# Altium PCB PreCharge.PcbDoc (part 2 of 2) (continued)
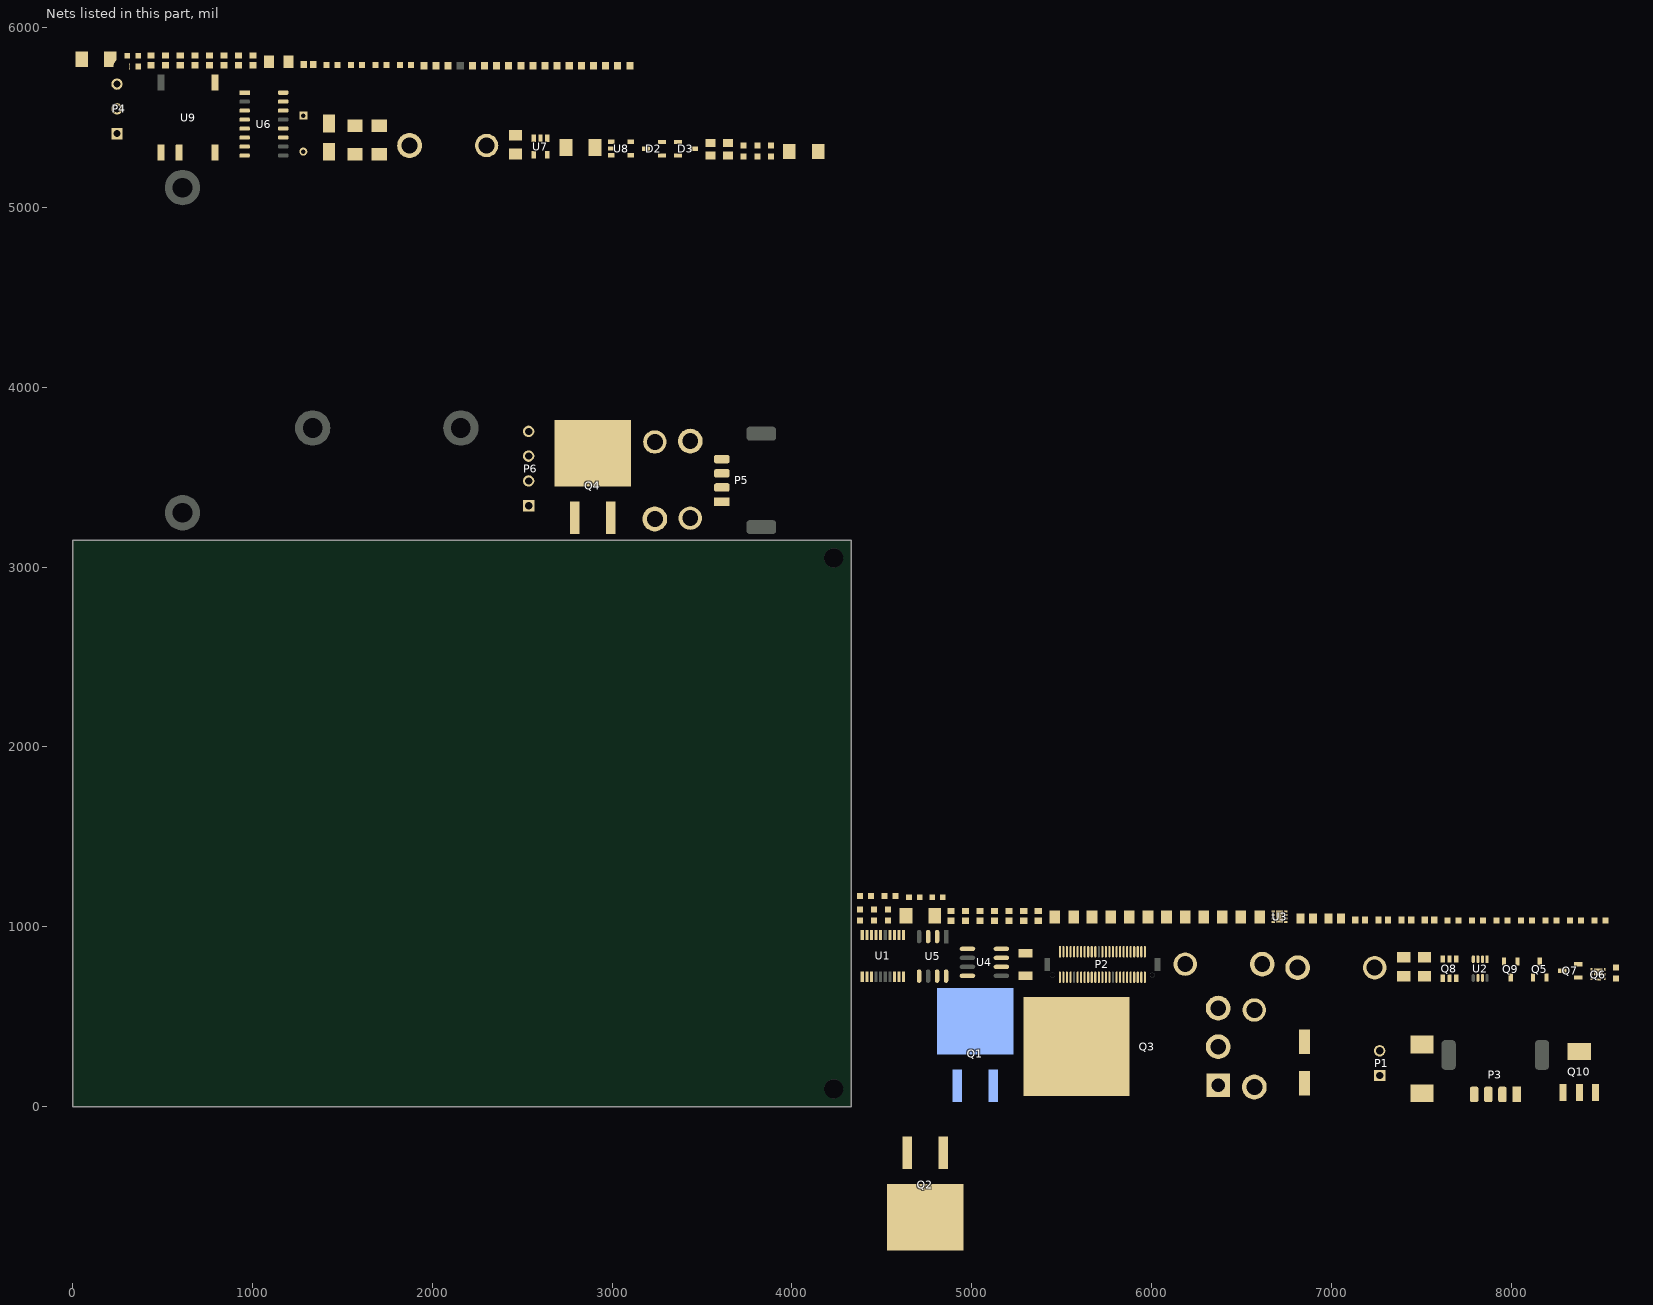
[diagram p2: the nets of this part, all layers, seen from the top]
## Part data (continued)
R10 R14: Case/Package=TO-247-2, Manufacturer=Ohmite, Manufacturer Part Number=AP101330RJ, Max Operating Temperature=175°C, Max Power Dissipation=100W, Min Operating Temperature=-65°C, Resistance=330R, Supplier Part Number 1="AP101 330R J-ND", Temperature Coefficient=100ppm/°C, Tolerance=5%, Voltage Rating=700V, ComponentLink1Description=http://www.mouser.com/ds/2/303/acl_ap101-773331.pdf, ComponentLink1URL=http://www.mouser.com/ds/2/303/acl_ap101-773331.pdf, ComponentLink2Description=http://www.farnell.com/datasheets/2015590.pdf, ComponentLink2URL=http://www.farnell.com/datasheets/2015590.pdf, ComponentLink3Description=http://www.ohmite.com/cat/acl_ap101.pdf, ComponentLink3URL=http://www.ohmite.com/cat/acl_ap101.pdf, Composition="Thick Film", Height=0.825inch, Length=0.62inch, Number of Terminations=2, Packaging=Tray, Power Rating=100W, Stock 1=0, Supplier 1=Digi-Key, Voltage Rating (DC)=700V, Width=0.195inch
R11 R12: library part "RES SMD 470K OHM 0.1% 1/4W 1206", "470 kOhms ±0.1% 0.25W, 1/4W Chip Resistor 1206 (3216 Metric) Anti-Sulfur, Automotive AEC-Q200 Thin Film", Case/Package=1206, Case Code (Metric)=3216, Manufacturer=Susumu, Manufacturer Part Number=RG3216P-4703-B-T1, Max Operating Temperature=155°C, Max Power Dissipation=0.25W, Min Operating Temperature=-55°C, Package Quantity=1, Power Rating=125mW, Resistance=470k, Supplier Part Number 1=RG32P470KBDKR-ND, Temperature Coefficient=25ppm/°C, Tolerance=0.1%, Voltage Rating=150V, Voltage Rating (DC)=200V, Case Code (Imperial)=1206, ComponentLink1Description=https://datasheet.ciiva.com/2490/rg-rm-rgh-datasheet-2490488.pdf, ComponentLink1URL=https://datasheet.ciiva.com/2490/rg-rm-rgh-datasheet-2490488.pdf, ComponentLink2Description=https://datasheet.ciiva.com/2490/rg-rm-rgh-datasheet-2490489.pdf, ComponentLink2URL=https://datasheet.ciiva.com/2490/rg-rm-rgh-datasheet-2490489.pdf, ComponentLink3Description=https://datasheet.ciiva.com/2490/rg-rm-rgh-datasheet-2490490.pdf, ComponentLink3URL=https://datasheet.ciiva.com/2490/rg-rm-rgh-datasheet-2490490.pdf, ComponentLink4Description=https://datasheet.ciiva.com/12760/rg-rm-rgh-datasheet-12760397.pdf, ComponentLink4URL=https://datasheet.ciiva.com/12760/rg-rm-rgh-datasheet-12760397.pdf, Composition="Thin Film", Height=0.02inch, Lead Free="Lead Free", Length=0.126inch, Number of Pins=2, Number of Terminations=2, Packaging="Tape and Reel", Pricing 1="1=0.66, 10=0.474, 100=0.2462 (USD)", Stock 1=2986, Supplier 1=Digi-Key, Termination=SMD/SMT, Width=0.063inch
R13: library part "RES SMD 29.4K OHM 1% 1/4W 1206", "29.4 kOhms ±1% 0.25W, 1/4W Chip Resistor 1206 (3216 Metric) Automotive AEC-Q200 Thick Film", Case/Package=1206, Case Code (Metric)=3216, Manufacturer=Panasonic, Manufacturer Part Number=ERJ-8ENF2942V, Max Operating Temperature=155°C, Max Power Dissipation=250mW, Min Operating Temperature=-55°C, Package Quantity=1, Resistance=29.4kR, Supplier Part Number 1=P29.4KFCT-ND, Temperature Coefficient=100ppm/°C, Tolerance=1%, Voltage Rating=200V, Case Code (Imperial)=1206, ComponentLink1Description=https://datasheet.ciiva.com/7861/426256-7861912.pdf, ComponentLink1URL=https://datasheet.ciiva.com/7861/426256-7861912.pdf, ComponentLink2Description=https://datasheet.ciiva.com/24126/aoa0000ce2-24126731.pdf, ComponentLink2URL=https://datasheet.ciiva.com/24126/aoa0000ce2-24126731.pdf, ComponentLink3Description=https://datasheet.ciiva.com/6159/426256-6159628.pdf, ComponentLink3URL=https://datasheet.ciiva.com/6159/426256-6159628.pdf, ComponentLink4Description=https://datasheet.ciiva.com/9191/aoa0000ce2-9191007.pdf, ComponentLink4URL=https://datasheet.ciiva.com/9191/aoa0000ce2-9191007.pdf, Composition="Thick Film", Contact Plating=Tin, Depth=1.6mm, Height=0.028inch, Length=3.2mm, Military Standard=Not, Mount="Surface Mount", Number of Terminations=2, Packaging="Tape and Reel", Power Rating=250mW, Pricing 1="1=0.11, 10=0.097, 100=0.0373, 1000=0.01641, 2500=0.01417 (USD)", REACH SVHC="No SVHC", Stock 1=24502, Supplier 1=Digi-Key, Termination=SMD/SMT, Voltage Rating (DC)=200V, Weight=0.000571oz, Width=0.063inch
R15: library part "RES SMD 470K OHM 0.1% 1/4W 1206", "470 kOhms ±0.1% 0.25W, 1/4W Chip Resistor 1206 (3216 Metric) Anti-Sulfur, Automotive AEC-Q200 Thin Film", Case/Package=1206, Case Code (Metric)=3216, Manufacturer=Susumu, Manufacturer Part Number=RG3216P-4703-B-T1, Max Operating Temperature=155°C, Max Power Dissipation=250mW, Min Operating Temperature=-55°C, Package Quantity=1, Power Rating=125mW, Resistance=470kR, Supplier Part Number 1=RG32P470KBDKR-ND, Temperature Coefficient=25ppm/°C, Tolerance=0.1%, Voltage Rating=150V, Voltage Rating (DC)=200V, Case Code (Imperial)=1206, ComponentLink1Description=https://datasheet.ciiva.com/2490/rg-rm-rgh-datasheet-2490488.pdf, ComponentLink1URL=https://datasheet.ciiva.com/2490/rg-rm-rgh-datasheet-2490488.pdf, ComponentLink2Description=https://datasheet.ciiva.com/2490/rg-rm-rgh-datasheet-2490489.pdf, ComponentLink2URL=https://datasheet.ciiva.com/2490/rg-rm-rgh-datasheet-2490489.pdf, ComponentLink3Description=https://datasheet.ciiva.com/2490/rg-rm-rgh-datasheet-2490490.pdf, ComponentLink3URL=https://datasheet.ciiva.com/2490/rg-rm-rgh-datasheet-2490490.pdf, ComponentLink4Description=https://datasheet.ciiva.com/12760/rg-rm-rgh-datasheet-12760397.pdf, ComponentLink4URL=https://datasheet.ciiva.com/12760/rg-rm-rgh-datasheet-12760397.pdf, Composition="Thin Film", Height=0.02inch, Lead Free="Lead Free", Length=0.126inch, Number of Pins=2, Number of Terminations=2, Packaging="Tape and Reel", Pricing 1="1=0.66, 10=0.474, 100=0.2462 (USD)", Stock 1=2986, Supplier 1=Digi-Key, Termination=SMD/SMT, Width=0.063inch
R17: library part "RES SMD 29.4K OHM 1% 1/4W 1206", "29.4 kOhms ±1% 0.25W, 1/4W Chip Resistor 1206 (3216 Metric) Automotive AEC-Q200 Thick Film", Case/Package=1206, Case Code (Metric)=3216, Manufacturer=Panasonic, Manufacturer Part Number=ERJ-8ENF2942V, Max Operating Temperature=155°C, Max Power Dissipation=0.25W, Min Operating Temperature=-55°C, Package Quantity=1, Power Rating=250mW, Resistance=29.4k, Supplier Part Number 1=P29.4KFCT-ND, Temperature Coefficient=100ppm/°C, Tolerance=1%, Voltage Rating=200V, Case Code (Imperial)=1206, ComponentLink1Description=https://datasheet.ciiva.com/7861/426256-7861912.pdf, ComponentLink1URL=https://datasheet.ciiva.com/7861/426256-7861912.pdf, ComponentLink2Description=https://datasheet.ciiva.com/24126/aoa0000ce2-24126731.pdf, ComponentLink2URL=https://datasheet.ciiva.com/24126/aoa0000ce2-24126731.pdf, ComponentLink3Description=https://datasheet.ciiva.com/6159/426256-6159628.pdf, ComponentLink3URL=https://datasheet.ciiva.com/6159/426256-6159628.pdf, ComponentLink4Description=https://datasheet.ciiva.com/9191/aoa0000ce2-9191007.pdf, ComponentLink4URL=https://datasheet.ciiva.com/9191/aoa0000ce2-9191007.pdf, Composition="Thick Film", Contact Plating=Tin, Depth=1.6mm, Height=0.028inch, Length=3.2mm, Military Standard=Not, Mount="Surface Mount", Number of Terminations=2, Packaging="Tape and Reel", Pricing 1="1=0.11, 10=0.097, 100=0.0373, 1000=0.01641, 2500=0.01417 (USD)", REACH SVHC="No SVHC", Stock 1=24502, Supplier 1=Digi-Key, Termination=SMD/SMT, Voltage Rating (DC)=200V, Weight=0.000571oz, Width=0.063inch
R18: library part "RES SMD 33K OHM 0.1% 1/4W 1206", "33 kOhms ±0.1% 0.25W, 1/4W Chip Resistor 1206 (3216 Metric) Thin Film", Case/Package=1206, Case Code (Metric)=3216, Manufacturer=Yageo, Manufacturer Part Number=RT1206BRD0733KL, Max Operating Temperature=125°C, Max Power Dissipation=0.25W, Min Operating Temperature=-55°C, Package Quantity=5000, Power Rating=250mW, Resistance=33k, Supplier Part Number 1=YAG2038CT-ND, Temperature Coefficient=25ppm/°C, Tolerance=0.1%, Voltage Rating=200V, Case Code (Imperial)=1206, ComponentLink1Description=https://datasheet.ciiva.com/2587/pyu-rt-1-to-0-05-rohs-l-4-2587636.pdf, ComponentLink1URL=https://datasheet.ciiva.com/2587/pyu-rt-1-to-0-05-rohs-l-4-2587636.pdf, ComponentLink2Description=https://datasheet.ciiva.com/46634/pyu-rt-1-to-0-05-rohs-l-5-46634965.pdf, ComponentLink2URL=https://datasheet.ciiva.com/46634/pyu-rt-1-to-0-05-rohs-l-5-46634965.pdf, Composition="Thin Film", Contact Plating=Tin,Matte, Depth=1.6mm, Height=0.026inch, Lead Free="Lead Free", Length=0.122inch, Military Standard=Not, Number of Terminations=2, Packaging="Tape and Reel", Pricing 1="1=0.68, 10=0.523, 100=0.22, 1000=0.12137, 2500=0.11378 (USD)", Radiation Hardening=No, Stock 1=13446, Supplier 1=Digi-Key, Termination=SMD/SMT, Voltage Rating (DC)=200V, Width=0.063inch
R19: "RES SMD 40.2 OHM 0.5% 1/10W 0603", Manufacturer 1=Yageo, Manufacturer Part Number 1=RT0603DRE0740R2L, Operating Temperature="-55°C ~ 155°C", Package / Case="0603 (1608 Metric)", Power=1/10W, Resistance=40.2, Supplier Device Package=0603, Supplier Part Number 1=311-2576-1-ND, Temperature Coefficient=±50ppm/°C, Tolerance=±0.5%, ComponentLink1Description=http://www.yageo.com/documents/recent/PYu-RT_1-to-0.01_RoHS_L_7.pdf, ComponentLink1URL=http://www.yageo.com/documents/recent/PYu-RT_1-to-0.01_RoHS_L_7.pdf, Composition="Thin Film", Failure Rate=-, Height - Seated (Max)="0.022\" (0.55mm)", Packaging="Cut Tape (CT)", Part Status=Active, Size / Dimension="0.063\" L x 0.031\" W (1.60mm x 0.80mm)", Supplier 1=Digi-Key
R20 R25: "22.1 Ohm ±1% 0.1W, 1/10W Chip Resistor 0603 (1608 Metric) Moisture Resistant Thick Film", Manufacturer 1=Yageo, Manufacturer Part Number 1=RC0603FR-0722R1L, Operating Temperature="-55°C ~ 155°C", Package / Case="0603 (1608 Metric)", Power=1/10W, Resistance=22.1, Supplier Device Package=0603, Supplier Part Number 1=311-22.1HRCT-ND, Temperature Coefficient=±100ppm/°C, Tolerance=±1%, ComponentLink1Description=http://www.yageo.com/documents/recent/PYu-RC_Group_51_RoHS_L_7.pdf, ComponentLink1URL=http://www.yageo.com/documents/recent/PYu-RC_Group_51_RoHS_L_7.pdf, Composition="Thick Film", Failure Rate=-, Height - Seated (Max)="0.022\" (0.55mm)", Packaging="Cut Tape (CT)", Part Status=Active, Size / Dimension="0.063\" L x 0.031\" W (1.60mm x 0.80mm)", Supplier 1=Digi-Key
R22: "0 Ohms Jumper 0.25W, 1/4W Chip Resistor 1206 (3216 Metric) Automotive AEC-Q200 Thick Film", Case/Package=1206, Case Code (Metric)=3216, Manufacturer=Vishay, Manufacturer Part Number=CRCW12060000Z0EA, Max Operating Temperature=155°C, Min Operating Temperature=-55°C, Package Quantity=5000, Power Rating=0.25W, Resistance=0R, Supplier Part Number 1=541-0.0ECT-ND, Temperature Coefficient=100ppm/°C, Tolerance=1%, Voltage Rating=200V, Case Code (Imperial)=1206, ComponentLink1Description=https://datasheet.ciiva.com/16720/70201119-16720117.pdf, ComponentLink1URL=https://datasheet.ciiva.com/16720/70201119-16720117.pdf, ComponentLink2Description=https://datasheet.ciiva.com/7841/1720486-7841862.pdf, ComponentLink2URL=https://datasheet.ciiva.com/7841/1720486-7841862.pdf, ComponentLink3Description=https://datasheet.ciiva.com/16364/dcrcwe3-16364998.pdf, ComponentLink3URL=https://datasheet.ciiva.com/16364/dcrcwe3-16364998.pdf, ComponentLink4Description=https://datasheet.ciiva.com/5549/dcrcwe3-109170-5549528.pdf, ComponentLink4URL=https://datasheet.ciiva.com/5549/dcrcwe3-109170-5549528.pdf, ComponentLink5Description=https://datasheet.ciiva.com/7841/1697337-7841706.pdf, ComponentLink5URL=https://datasheet.ciiva.com/7841/1697337-7841706.pdf, ComponentLink6Description=https://datasheet.ciiva.com/11809/0900766b80d98b5e-11809211.pdf, ComponentLink6URL=https://datasheet.ciiva.com/11809/0900766b80d98b5e-11809211.pdf, ComponentLink7Description=https://datasheet.ciiva.com/16782/70201119-16782555.pdf, ComponentLink7URL=https://datasheet.ciiva.com/16782/70201119-16782555.pdf, Composition="Thick Film", Contact Plating=Tin, Depth=1.6mm, Height=0.55mm, Lead Free="Lead Free", Length=3.2mm, Military Standard=Not, Mount="Surface Mount", Packaging="Tape and Reel", Pricing 1="1=0.1, 10=0.064, 25=0.046, 50=0.0352, 100=0.0259, 250=0.01976, 500=0.0158, 1000=0.01163 (USD)", Radiation Hardening=No, REACH SVHC=Unknown, Stock 1=0, Supplier 1=Digi-Key, Termination=SMD/SMT, Voltage Rating (DC)=200V, Weight=0.000353oz, Width=1.6mm
R23: "2 kOhms ±0.1% 0.25W, 1/4W Chip Resistor 1206 (3216 Metric) Automotive AEC-Q200 Thin Film", Case/Package=1206, Case Code (Metric)=3216, Manufacturer=Panasonic, Manufacturer Part Number=ERA-8AEB202V, Max Operating Temperature=155°C, Max Power Dissipation=0.25W, Min Operating Temperature=-55°C, Package Quantity=5000, Power Rating=250mW, Resistance=2k, Supplier Part Number 1=P2.0KBCCT-ND, Temperature Coefficient=25ppm/°C, Tolerance=0.1%, Voltage Rating=150V, Case Code (Imperial)=1206, ComponentLink1Description=https://datasheet.ciiva.com/43458/391390-43458070.pdf, ComponentLink1URL=https://datasheet.ciiva.com/43458/391390-43458070.pdf, ComponentLink2Description=https://datasheet.ciiva.com/48529/era-eng-tds-48529591.pdf, ComponentLink2URL=https://datasheet.ciiva.com/48529/era-eng-tds-48529591.pdf, ComponentLink3Description=https://datasheet.ciiva.com/6082/391390-6082060.pdf, ComponentLink3URL=https://datasheet.ciiva.com/6082/391390-6082060.pdf, ComponentLink4Description=https://datasheet.ciiva.com/17214/aoa0000ce26-17214381.pdf, ComponentLink4URL=https://datasheet.ciiva.com/17214/aoa0000ce26-17214381.pdf, ComponentLink5Description=https://datasheet.ciiva.com/9197/aoa0000ce26-9197582.pdf, ComponentLink5URL=https://datasheet.ciiva.com/9197/aoa0000ce26-9197582.pdf, Composition="Metal Film,Thin Film", Contact Plating=Tin, Depth=1.6mm, Height=0.6mm, Lead Free="Lead Free", Length=3.2mm, Military Standard=Not, Mount="Surface Mount", Number of Pins=2, Number of Terminations=2, Packaging="Tape and Reel", Pricing 1="1=0.66, 10=0.474, 100=0.2465, 1000=0.13276, 2500=0.13095 (USD)", Radiation Hardening=No, REACH SVHC="No SVHC", Stock 1=43293, Supplier 1=Digi-Key, Termination=SMD/SMT, Voltage Rating (DC)=150V, Weight=0.000571oz, Width=0.063inch
R26: "1M Ohm ±1% 0.1W, 1/10W Chip Resistor 0603 (1608 Metric) Moisture Resistant Thick Film", Manufacturer 1=Yageo, Manufacturer Part Number 1=RC0603FR-071ML, Operating Temperature="-55°C ~ 155°C", Package / Case="0603 (1608 Metric)", Power (Watts)=1/10W, Resistance (Ohms)=1M, Supplier Device Package=0603, Supplier Part Number 1=311-1.00MHRCT-ND, Temperature Coefficient=±100ppm/°C, Tolerance=±1%, Category=Resistors, ComponentLink1Description=http://www.yageo.com/documents/recent/PYu-RC_Group_51_RoHS_L_7.pdf, ComponentLink1URL=http://www.yageo.com/documents/recent/PYu-RC_Group_51_RoHS_L_7.pdf, Composition="Thick Film", Description 1="RES SMD 1M OHM 1% 1/10W 0603", Failure Rate=-, Features="Moisture Resistant", Height - Seated (Max)="0.022\" (0.55mm)", Packaging="Cut Tape (CT)", Part Status=Active, Pricing 1="1=0.16, 10=0.022, 100=0.0089, 1000=0.00402, 2500=0.00349 (CAD)", RoHS="RoHS Compliant", Size / Dimension="0.063\" L x 0.031\" W (1.60mm x 0.80mm)", Stock 1=2336711, Supplier 1=Digi-Key
R28: library part "RES 1K OHM 5% 1/10W 0603", "1k Ohm ±5% 0.1W, 1/10W Chip Resistor 0603 (1608 Metric)", Manufacturer=Yageo, Manufacturer Part Number=RC0603JR-071KL, Operating Temperature="-55°C ~ 155°C", Package / Case="0603 (1608 Metric)", Power (Watts)="0.1W, 1/10W", Resistance (Ohms)=1k, Supplier Device Package=0603, Supplier Part Number 1=311-1.0KGRCT-ND, Temperature Coefficient=±100ppm/°C, Tolerance=±5%, Category=Resistors, ComponentLink1Description=http://www.yageo.com/documents/recent/PYu-RC_Group_51_RoHS_L_7.pdf, ComponentLink1URL=http://www.yageo.com/documents/recent/PYu-RC_Group_51_RoHS_L_7.pdf, Composition="Thick Film", Failure Rate=-, Features="Moisture Resistant", Height - Seated (Max)="0.022\" (0.55mm)", Packaging="Cut Tape (CT)", Part Status=Active, Pricing 1="1=0.15, 10=0.017, 100=0.0071, 1000=0.0032, 2500=0.00278 (CAD)", RoHS="RoHS Compliant", Size / Dimension="0.063\" L x 0.031\" W (1.60mm x 0.80mm)", Stock 1=4415240, Supplier 1=Digi-Key
TP2 TP3 TP4 TP5 TP6 TP7 TP8 TP9: library part "Test Point"
U1: library part "IC CAN SPI CONTROLLER MCP2515T-I/ST 20-TSSOP", "CAN Controller CAN 2.0 SPI Interface 20-TSSOP", Current - Supply=10mA, Manufacturer="Microchip Technology", Manufacturer Part Number=MCP2515T-I/ST, Operating Temperature="-40°C ~ 85°C", Package / Case="20-TSSOP (0.173\", 4.40mm Width)", Supplier Device Package=20-TSSOP, Supplier Part Number 1=MCP2515T-I/STCT-ND, Voltage - Supply="2.7 V ~ 5.5 V", Base Part Number=MCP2515, Category="Integrated Circuits (ICs)", ComponentLink1Description=http://www.microchip.com/mymicrochip/filehandler.aspx?ddocname=en011733, ComponentLink1URL=http://www.microchip.com/mymicrochip/filehandler.aspx?ddocname=en011733, Function=Controller, Interface=SPI, Packaging="Cut Tape (CT)", Part Status=Active, Pricing 1="1=3.04, 25=2.5372, 100=2.3076 (CAD)", Protocol=CAN, RoHS="RoHS Compliant", Standards="CAN 2.0", Stock 1=27278, Supplier 1=Digi-Key
U2: "1/1 Transceiver CAN 8-SOIC", Digikey Part Number=296-43711-1-ND, Manufacturer Part Number=TCAN332DR, Supplier 1=Digi-Key, Supplier Part Number 1=296-43711-1-ND
U3: "NCP45521IMNTWG-H", Current - Output (Max)=10.5A, Manufacturer="ON Semiconductor", Operating Temperature="-40°C ~ 85°C (TA)", Package / Case="8-VFDFN Exposed Pad", Supplier Device Package="8-DFN (2x2)", Voltage - Load="0.5 V ~ 13.5 V", Voltage - Supply (Vcc/Vdd)="3 V ~ 5.5 V", Category="Integrated Circuits (ICs)", ComponentLink1Description=http://www.onsemi.com/pub/Collateral/NCP45520-D.PDF, ComponentLink1URL=http://www.onsemi.com/pub/Collateral/NCP45520-D.PDF, Fault Protection="Over Temperature, UVLO", Features="Slew Rate Controlled", Input Type=Non-Inverting, Interface=On/Off, Manufacturer Part Number=NCP45521IMNTWG-H, Number of Outputs=1, Output Configuration="High Side", Output Type=N-Channel, Packaging=Digi-Reel®, Part Status=Active, Pricing 1="1=1.57, 10=1.405, 100=1.0957, 500=0.90518, 1000=0.71462 (CAD)", Pricing 2="1=1.53, 10=1.372, 100=1.0702, 500=0.88408, 1000=0.69797 (CAD)", Ratio - Input:Output=1:1, Rds On (Typ)="12.8 mOhm", RoHS="RoHS Compliant", Stock 1=2377, Stock 2=2211, Supplier 1=Digi-Key, Supplier 2=Digi-Key, Supplier Part Number 2=NCP45521IMNTWG-HOSDKR-ND, Switch Type="General Purpose"
U4: "Charge Pump Switching Regulator IC Positive or Negative Fixed -Vin, 2Vin 1 Output 20mA 8-SOIC (0.154\", 3.90mm Width)", Case/Package=SOIC, Manufacturer=Microchip, Manufacturer Part Number=TC7662BEOA713, Max Input Voltage=15V, Max Operating Temperature=85°C, Max Output Current=20mA, Max Output Voltage=-15V, Min Operating Temperature=-40°C, Min Supply Voltage=1.5V, Output Power=470mW, Package Quantity=1, Supplier Part Number 1=TC7662BEOA713CT-ND, Switching Frequency=35kHz, ComponentLink1Description=https://datasheet.ciiva.com/2024/21469a-2024368.pdf, ComponentLink1URL=https://datasheet.ciiva.com/2024/21469a-2024368.pdf, ComponentLink2Description=https://datasheet.ciiva.com/2024/filehandler-aspxddocname-en026002-2024369.pdf, ComponentLink2URL=https://datasheet.ciiva.com/2024/filehandler-aspxddocname-en026002-2024369.pdf, ComponentLink3Description=https://datasheet.ciiva.com/16295/filehandler-aspxddocname-en011347-16295442.pdf, ComponentLink3URL=https://datasheet.ciiva.com/16295/filehandler-aspxddocname-en011347-16295442.pdf, ComponentLink4Description=https://datasheet.ciiva.com/3216/cn-21469a-3216331.pdf, ComponentLink4URL=https://datasheet.ciiva.com/3216/cn-21469a-3216331.pdf, ComponentLink5Description=https://datasheet.ciiva.com/18553/filehandler-aspxddocname-en026002-18553038.pdf, ComponentLink5URL=https://datasheet.ciiva.com/18553/filehandler-aspxddocname-en026002-18553038.pdf, ComponentLink6Description=https://datasheet.ciiva.com/4875/21469a-4875151.pdf, ComponentLink6URL=https://datasheet.ciiva.com/4875/21469a-4875151.pdf, Height=1.5mm, Lead Free="Lead Free", Length=5mm, Logic Function=Inverting, Max Supply Voltage=15V, Mount="Surface Mount", Number of Outputs=1, Number of Pins=8, Output Current=20mA, Output Voltage=-15V, Packaging="Tape and Reel", Pricing 1="1=2.29, 25=1.9056, 100=1.7304 (USD)", Radiation Hardening=No, Stock 1=59, Supplier 1=Digi-Key, Synchronous Rectifier=No, Topology="Charge Pump", Weight=0.006596oz, Width=3.99mm
U5: "Logic Output Optoisolator 5MBd Push-Pull, Totem Pole 3750Vrms 1 Channel 5kV/µs, 10kV/µs CMTI 8-SO Tall", Case/Package=SOIC, Forward Current=10mA, Forward Voltage=1.7V, Input Current=5mA, Isolation Voltage=3.75kV, Manufacturer="Broadcom Avago", Manufacturer Part Number=HCPL-0211-000E, Max Operating Temperature=85°C, Max Output Current=25mA, Max Output Voltage=20V, Max Power Dissipation=210mW, Min Operating Temperature=-40°C, Min Supply Voltage=4.5V, Package Quantity=100, Reverse Breakdown Voltage=5V, Supplier Part Number 1=516-1625-5-ND, Approvals=CSA,UL,VDE, ComponentLink1Description=http://uk.rs-online.com/webdocs/0ad5/0900766b80ad5e24.pdf, ComponentLink1URL=http://uk.rs-online.com/webdocs/0ad5/0900766b80ad5e24.pdf, ComponentLink2Description=https://www.verical.com/server-webapp/html/getDatasheet?partID=117687, ComponentLink2URL=https://www.verical.com/server-webapp/html/getDatasheet?partID=117687, ComponentLink3Description=http://datasheet.iiic.cc/avago_technologies/HCPL-0211-000E.pdf, ComponentLink3URL=http://datasheet.iiic.cc/avago_technologies/HCPL-0211-000E.pdf, ComponentLink4Description=https://produktinfo.conrad.com/datenblaetter/125000-149999/140038-da-01-en-OPTOKOPPLER_HCPL_0211_000E.pdf, ComponentLink4URL=https://produktinfo.conrad.com/datenblaetter/125000-149999/140038-da-01-en-OPTOKOPPLER_HCPL_0211_000E.pdf, Contact Plating=Matte,Tin, Data Rate=5Mbps, Direction=Unidirectional, Fall Time=7ns, Lead Free="Lead Free", Max Input Current=10mA, Max Supply Voltage=20V, Mount="Surface Mount,Through Hole", Number of Channels=1, Number of Elements=1, Number of Pins=8, Output Current=25mA, Output Current per Channel=25mA, Packaging=Rail/Tube, Power Dissipation=210mW, Propagation Delay=300ns, Radiation Hardening=No, REACH SVHC="No SVHC", Rise Time=30ns, RoHS=Yes, Stock 1=3605, Supplier 1=Digi-Key, Turn-On Delay Time=300ns
U6: "S-R Latch 4 Channel 1:1 IC Tri-State 16-TSSOP", Current - Output High, Low="6.8mA, 6.8mA", Manufacturer 1="Texas Instruments", Manufacturer Part Number 1=CD4043BDR, Operating Temperature="-55°C ~ 125°C", Package / Case="16-SOIC (0.154\", 3.90mm Width)", Supplier Device Package=16-SOIC, Supplier Part Number 1=296-31496-1-ND, Voltage - Supply="3 V ~ 18 V", Circuit=1:1, ComponentLink1Description=http://www.ti.com/lit/ds/symlink/cd4043b.pdf, ComponentLink1URL=http://www.ti.com/lit/ds/symlink/cd4043b.pdf, Delay Time - Propagation=50ns, Logic Type="S-R Latch", Mounting Type="Surface Mount", Output Type=Tri-State, Packaging="Cut Tape (CT)", Part Status=Active, Supplier 1=Digi-Key
U7: "Comparator General Purpose Open Collector SOT-23-5", Manufacturer="Texas Instruments", Manufacturer Part Number=TLV1701QDBVRQ1, Max Operating Temperature=125°C, Min Operating Temperature=-40°C, Supplier Part Number 1=296-47458-1-ND, ComponentLink1Description=Datasheet, ComponentLink1URL=http://www.ti.com/lit/ds/symlink/tlv1701-q1.pdf, Number of Channels=1, Stock 1=8944, Supplier 1=Digi-Key
U8: "AND Gate IC 1 Channel 5-SSOP", Current - Output High, Low="3.4mA, 3.4mA", Current - Quiescent (Max)=1µA, Manufacturer 1="Rohm Semiconductor", Manufacturer Part Number 1=BU4S81G2-TR, Operating Temperature="-40°C ~ 85°C", Package / Case="SC-74A, SOT-753", Supplier Device Package=5-SSOP, Supplier Part Number 1=BU4S81G2CT-ND, Voltage - Supply="3 V ~ 16 V", ComponentLink1Description=http://rohmfs.rohm.com/en/products/databook/datasheet/ic/logic_switch/standard_logic/bu4s81g2-e.pdf, ComponentLink1URL=http://rohmfs.rohm.com/en/products/databook/datasheet/ic/logic_switch/standard_logic/bu4s81g2-e.pdf, Logic Level - High="3.5 V ~ 11 V", Logic Level - Low="1.5 V ~ 4 V", Logic Type="AND Gate", Max Propagation Delay @ V, Max CL="30ns @ 15V, 50pF", Mounting Type="Surface Mount", Number of Circuits=1, Number of Inputs=2, Packaging="Cut Tape (CT)", Part Status=Active, Supplier 1=Digi-Key
U9: "Isolated Module DC DC Converter 1 Output 12V 84mA 10.8V - 13.2V Input", Current - Output (Max)=84mA, Manufacturer 1="XP Power", Manufacturer Part Number 1=ISE1212A, Operating Temperature="-40°C ~ 105°C", Package / Case="8-SMD Module, 5 Leads", Power=1W, Supplier Part Number 1=1470-2950-1-ND, Voltage - Input (Max)=13.2V, Voltage - Input (Min)=10.8V, Voltage - Isolation="1.5kV (1500V)", Voltage - Output 1=12V, Voltage - Output 2=-, ComponentLink1Description=http://www.xppower.com/Portals/0/pdfs/SF_ISE.pdf, ComponentLink1URL=http://www.xppower.com/Portals/0/pdfs/SF_ISE.pdf, Efficiency=81%, Mounting Type="Surface Mount", Number of Outputs=1, Packaging="Cut Tape (CT)", Part Status=Active, Size / Dimension="0.50\" L x 0.44\" W x 0.29\" H (12.7mm x 11.2mm x 7.3mm)", Supplier 1=Digi-Key, Type="Isolated DCDC", Voltage - Output 3=-
Y1: "16MHz ±20ppm Crystal 18pF 40 Ohms 2-SMD, No Lead", Frequency=16MHz, Frequency Stability=±30ppm, Frequency Tolerance=±20ppm, Load Capacitance=18pF, Manufacturer="Abracon LLC", Manufacturer Part Number=ABM3-16.000MHZ-D2Y-T, Operating Mode=Fundamental, Operating Temperature="-40°C ~ 85°C", Package / Case="2-SMD, No Lead", Ratings=-, Supplier Part Number 1=535-10638-1-ND, Category="Crystals, Oscillators, Resonators", ComponentLink1Description=https://abracon.com/Resonators/abm3.pdf, ComponentLink1URL=https://abracon.com/Resonators/abm3.pdf, Height - Seated (Max)="0.051\" (1.30mm)", Mounting Type="Surface Mount", Packaging="Cut Tape (CT)", Part Status=Active, Pricing 1="1=1.02, 10=0.858, 50=0.7712, 100=0.6855, 500=0.6512 (CAD)", RoHS="RoHS Compliant", Size / Dimension="0.197\" L x 0.126\" W (5.00mm x 3.20mm)", Stock 1=27142, Supplier 1=Digi-Key, Type="MHz Crystal"

## Free pads (board coordinates)
  round 106.3 hole 106.3: ""(4232.28,98.43) ""(4232.28,3051.18)

## Nets (pads, with @x,y where several pads share a name; then routed paths per layer and width w, separated by ;. In a path a pad name is that pad's centre, name@x,y a point inside that pad or via, vN(x,y) a via of type N, cw(c..) or ccw(c..) an arc to the next point about the centre after c; other vN are vias at no path point)
3V3: C1.1 C2.1 C3.2 C4.2 C7.1 C8.1 P2.40 P2.41 P2.42 P2.43 P2.44 P2.45 P6.3 R2.2 U1.20 U2.3 U3.3
CAN_RX: TP8.TP U1.2 U2.4
CAN_TX: TP7.TP U1.1 U2.1
GND: C1.2 C2.2 C3.1 C4.1 C5.2 C6.2 C7.2 C8.2 C9.2 C10.2 C14.2 C15.2 C16.2 C21.2 C22.1 D1.2 D2.3 D3.3 P1.2 P2.1 P2.2 P2.3 P2.4 P2.26 P2.27 P2.28 P2.29 P3.2 P5.2 Q6.4 Q6.8 R1.2 R4.2 R5.2 R27.2 TP1.TP U1.10 U2.2 U3.4 U5.5 U9.1
HV_IN: F1.1 P4.1
HV_IN_FUSED: D4.2 F1.2 Q1.3 Q2.3 R13.1
IN+: C19.1 D7.2 IN+1.TP Q9.3 R12.2 R18.1 R26.1 U7.1
IN-: C19.2 D6.2 IN-1.TP R11.2 R17.1 U7.3
ISO_12V: C11.2 C17.2 C20.1 C23.1 C24.2 C25.1 ISO_1.TP Q10.3 R16.1 R34.2 U4.8 U5.2 U6.5 U6.16 U9.5
ISO_12V_SW: C18.2 C26.2 ISO_2.TP Q8.4 Q10.2 Q10.4 R32.1 R35.2 U7.5 U8.5
ISO_GND: C11.1 C13.2 C17.1 C18.1 C23.2 C24.1 C26.1 D6.1 D7.1 D8.2 LED3.2 LED4.2 P4.3 Q3.3 Q4.3 Q5.2 Q7.2 Q9.2 R21.2 R22.2 R23.2 R29.1 R30.1 R31.2 R33.2 U4.3 U6.3 U6.4 U6.6 U6.7 U6.8 U6.11 U6.12 U7.2 U8.3 U9.4
ISO_LATCH_OUT: C25.2 ISO_LATCH_OUT1.TP Q5.3 Q7.3 Q10.1 R30.2 U6.1
MOTOR_CONTROLLER_CAN_N: D2.1 D3.1 P3.4 P5.4 U2.6
MOTOR_CONTROLLER_CAN_P: D2.2 D3.2 P3.3 P5.3 U2.7
MOTOR_CONTROLLER_CONTACTOR_GND: D9.1 LED2.2 P6.2 Q6.1 Q6.2 Q6.5 Q6.6 Q6.7
MOTOR_CONTROLLER_HV: D5.1 P4.2 R10.1 R14.1
NetAND_OUT1_TP: AND_OUT1.TP R29.2 U6.14 U8.4
NetC5_1: C5.1 U1.9 Y1.1
NetC6_1: C6.1 U1.8 Y1.2
NetC10_1: C10.1 U3.6
NetC12_1: C12.1 U4.2
NetC12_2: C12.2 U4.4
NetC13_1: C13.1 DISC_GATE1.TP R19.1 R21.1 U4.5
NetC20_2: C20.2 R31.1 U6.15
NetCOMP_OUT1_TP: COMP_OUT1.TP R26.2 U7.4 U8.1
NetD4_1: D4.1 Q1.1 Q2.1 R13.2 R15.1
NetD5_2: D5.2 R9.2 R12.1
NetD8_1: D8.1 Q3.1 R19.2
NetL1_2: L1.2 U9.2
NetLATCH_OUT1_TP: LATCH_OUT1.TP R25.1 U5.7
NetLED1_2: LED1.2 R1.1
NetLED2_1: LED2.1 R24.1
NetLED3_1: LED3.1 R34.1
NetLED4_1: LED4.1 R35.1
NetQ1_4: Q1.4 Q2.4 R6.1 R11.1
NetQ3_2: Q3.2 R10.2 R14.2
NetQ4_1: Q4.1 R20.2
NetQ4_4: Q4.4 R15.2
NetQ6_3: Q6.3 R25.2 R27.1
NetQ7_1: Q7.1 R28.1
NetQ8_1: Q8.1 Q8.2 Q8.5 Q8.6 R33.1 U8.2
NetQ8_3: Q8.3 Q9.1 R32.2
NetR2_1: R2.1 U1.19
NetR3_2: R3.2 U3.5
NetR6_2: R6.2 R7.1
NetR7_2: R7.2 R8.1
NetR8_2: R8.2 R9.1
NetR17_2: R17.2 R23.1
NetR18_2: R18.2 R22.1
NetR28_2: R28.2 U5.3
NetTP9_TP: TP9.TP U1.3
nISO_LATCH_OUT: Q5.1 R16.2 R20.1
PA0/AN0: P2.25
PA1/AN1: P2.24
PA2: P2.23
PA3: P2.22
PA4/AN4/SPI1_NSS: P2.21
PA5: P2.20
PA6/AN6: P2.19
PA7: P2.18
PA8_nCAN_INTERRUPT: P2.7 TP6.TP U1.13
PA9_PRECHARGE_EN: P2.6 R4.1 U3.2
PA10_CONTACTOR_MONITOR: C9.1 P2.5 P6.4 R5.1
PA15/LED_RED: P2.39
PB0: P2.17
PB1/AN9: P2.16
PB2: P2.15
PB3/LED_GREEN: P2.38
PB4/LED_BLUE: P2.37
PB5/LED_BLUE: P2.36
PB6/USART1_TX: P2.34
PB7/USART1_RX: P2.33
PB8: P2.32
PB9: P2.31
PB10_nRX0BF: P2.14 U1.12
PB11_nRX1BF: P2.13 U1.11
PB12_SPI2_NSS: P2.11 TP5.TP U1.18
PB13_SPI2_SCK: P2.10 U1.14
PB14_SPI2_MISO: P2.9 TP4.TP U1.17
PB15_SPI2_MOSI: P2.8 TP3.TP U1.16
PC13: P2.30
VBAT: D1.1 LED1.1 P1.1 P2.47 P2.48 P2.49 P2.50 P3.1 P5.1 P6.1 U3.1 U3.9
VBAT_PRECHARGE_SW: C14.1 C15.1 C16.1 C21.1 C22.2 D9.2 L1.1 R3.1 R24.2 U3.7 U3.8 U5.8
pads on no net: M1.6 M1.7 M!1.6 M!1.7 P1. P2. P2.12 P2.35 P2.46 P3.7 P4. P5.7 P6. TP2.TP U1.4 U1.5 U1.6 U1.7 U1.15 U2.5 U2.8 U4.1 U4.6 U4.7 U5.1 U5.4 U5.6 U6.2 U6.9 U6.10 U6.13 U9.8

## Polygon pours and split planes (outlines as drawn)
GND on Component Side "NONET_L01_P016" (solid, shelved, pour order 16): 0,0 0,885.83 2755.91,885.83 2755.91,295.28 4330.71,295.28 4330.71,0
no net on Component Side "NONET_L01_P006" (solid, shelved, pour order 6): 2165.35,679.13 2165.35,0 2755.91,0 2755.91,679.13
no net on Component Side "Component Side-No Net 3" (solid, shelved, pour order 26): 2696.85,1378.35
no net on Component Side "Component Side-No Net 4" (solid, shelved, pour order 12): 2066.93,0
no net on Component Side "Component Side-No Net" (solid, shelved, pour order 4): 777.56,2864.17
no net on Component Side "Component Side-No Net 1" (solid, shelved, pour order 2): 777.56,2854.33
no net on Component Side "Component Side-No Net 2" (solid, shelved, pour order 0): 787.4,2844.49
ISO_GND on Bottom Layer "NONET_L02_P028" (solid, shelved, pour order 28): 0,3149.61 0,1004.38 2851.91,1004.38 2851.91,393.7 4330.71,393.7 4330.71,3149.61
GND on Bottom Layer "NONET_L02_P014" (solid, shelved, pour order 14): 0,0 0,885.83 2755.91,885.83 2755.91,295.28 4330.71,295.28 4330.71,0

## Keep-outs
Keep-Out Layer:
  lines w10: 0,0 0,3149.29 ; 0.32,0 0.32,393.7 ; 0.32,3149.61 4330.71,3149.61 4330.71,0

## Silkscreen, mask and mechanical layers (free items; w line width, h text height)
Top Overlay:
  drawing of 20 lines, arcs and shapes, not listed
  text "ISO_GND" at 547.24,3070.87 h31.5
  text "F" at 1850.39,-452.76 h500
  text "MSXII PRECHARGE CONTROLLER / REV 3.0" at 4685.04,-492.13 h31.5